# Altium PCB MotionBoard.PcbDoc (part 3 of 3)
Units mm, origin at the board's own origin, x right, y up, seen from the top; angles counter-clockwise.
Board outline 120 x 80 mm, 8 copper layers (Top Layer 1, GND, Inner 1, Inner 2, Inner 3, Inner 4, PWR, Bottom Layer 1), stack 1.028 mm thick; 748 components, 487 nets, 2634 pads, 32 vias.
Unrouted connection lines stored in the file: 1934.
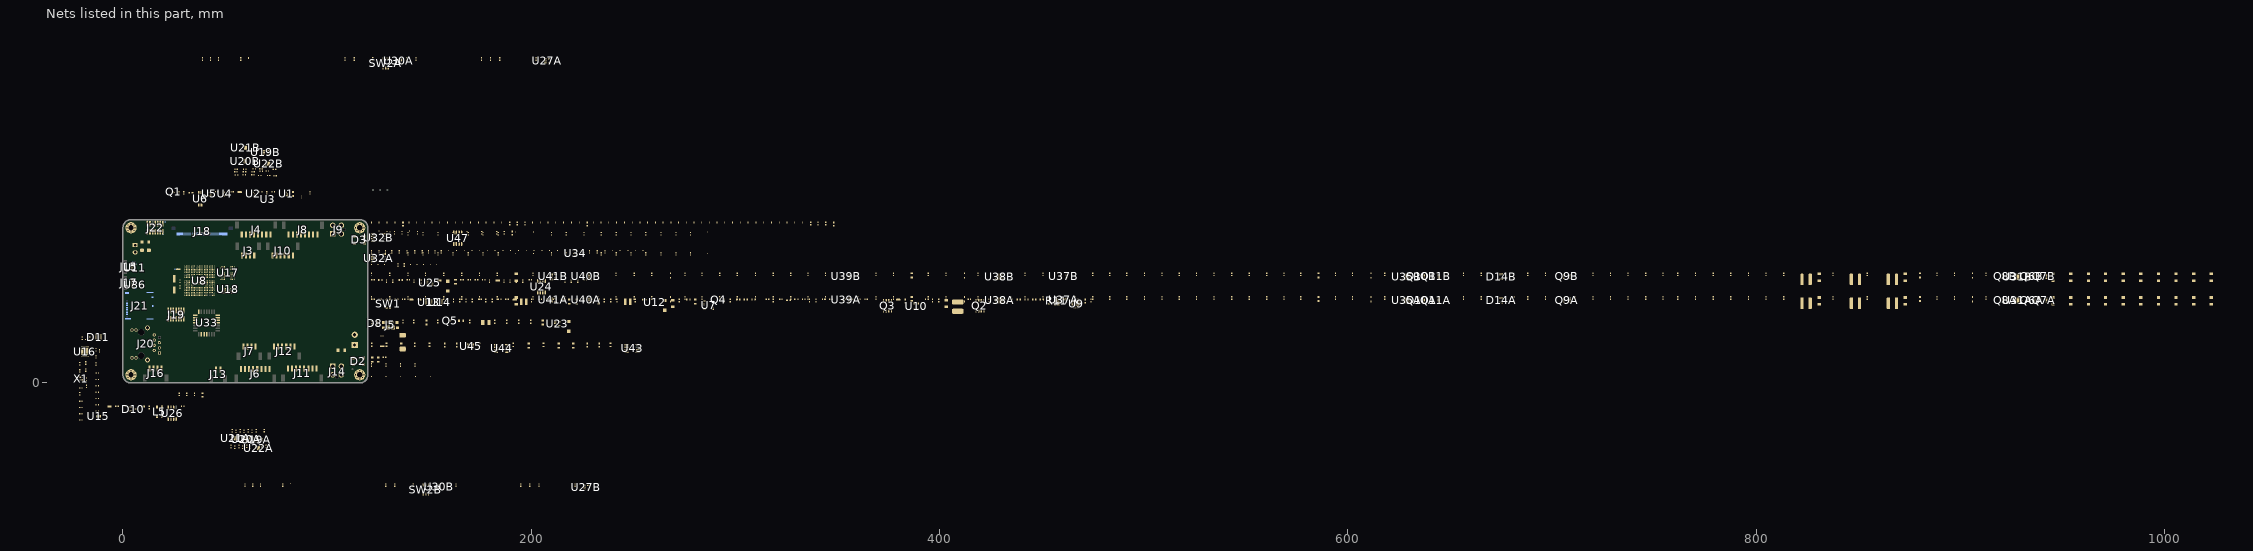
[diagram p5: the nets of this part, all layers, seen from the top]

## Part data (continued)
L1: "4.7 µH Shielded Drum Core, Wirewound Inductor 4 A 23mOhm Nonstandard", Supplier Part Number 1=490-10812-1-ND, Isat=4.5A, Supplier 1=Digi-Key
L2: library part SRN3010TA-2R2M, "2.2 µH Semi-Shielded Drum Core, Wirewound Inductor 1.7 A 90mOhm Nonstandard", Supplier Part Number 1=SRN3010TA-2R2MCT-ND, Isat=1.3A, Supplier 1=Digi-Key
L3: library part SRN3010TA-3R3M, "3.3 µH Semi-Shielded Drum Core, Wirewound Inductor 1.5 A 130mOhm Nonstandard", Supplier Part Number 1=SRN3010TA-3R3MCT-ND, Isat=1.1A, Supplier 1=Digi-Key
L4: library part "FIXED IND 10UH 300MA 845MOHM SMD", "10 µH Shielded Multilayer Inductor 300 mA 845mOhm Max 0805 (2012 Metric)", Supplier Part Number 1=490-18463-1-ND, Isat=100mA, Supplier 1=Digi-Key
L5: library part L_B82787C0513H002, "CMC 51UH 200MA 2LN SMD AEC-Q200", Supplier Part Number 1=445-3958-1-ND, Supplier 1=Digi-Key
L6A L6B L7A L7B L8A L8B: library part PA5005.102NLT, "1 µH Shielded Molded Inductor 20 A 4.52mOhm Max Nonstandard", Supplier Part Number 1=553-4098-1-ND, Isat=23A, Supplier 1=Digi-Key
Q1 Q4 Q5: library part 2N7002, "N-Channel 60 V 350mA (Ta) 380mW (Ta), 2.8W (Tc) Surface Mount DFN0606-3", Supplier Part Number 1=1727-8574-1-ND, Supplier 1=Digi-Key
Q2 Q3: library part BSC0502NSIATMA1, "N-Channel 60 V 8A (Ta), 35A (Tc) 3.1W (Ta), 68W (Tc) Surface Mount 8-PDFN (5x6)", Supplier Part Number 1=TSM220NB06LCRRLGCT-ND, Supplier 1=Digi-Key
Q6A Q6B Q7A Q7B Q8A Q8B Q9A Q9B Q10A Q10B Q11A Q11B: "N-Channel 100 V 39A (Ta) 2W (Ta) Surface Mount 8-HSMT (3.2x3)", Supplier Part Number 1=846-RQ3P300BHTB1CT-ND, Supplier 1=Digi-Key
R1 R43 R83 R84 R85 R86 R87 R89 R90 R91: library part "RES 4.7K OHM 5% 1/16W 0402", "4.7 kOhms ±5% 0.063W, 1/16W Chip Resistor 0402 (1005 Metric) Moisture Resistant Thick Film", Supplier Part Number 1=311-4.7KJRCT-ND, Supplier 1=Digi-Key
R2 R8 R9 R26 R50 R51 R53: library part "RES 100K OHM 1% 1/16W 0402", "100 kOhms ±1% 0.063W, 1/16W Chip Resistor 0402 (1005 Metric) Moisture Resistant Thick Film", Supplier Part Number 1=13-RC0402FR-13100KLCT-ND, Supplier 1=Digi-Key
R3 R4 R5 R32 R33 R41 R42 R44: library part "RES 2.2K OHM 1% 1/16W 0402", "2.2 kOhms ±1% 0.063W, 1/16W Chip Resistor 0402 (1005 Metric) Moisture Resistant Thick Film", Supplier Part Number 1=311-2.20KLRCT-ND, Supplier 1=Digi-Key
R6 R47A R47B R48A R48B R49A R49B R66 R67A R67B R69A R69B R70A R70B R96A R96B R98A R98B R113A R113B R114A R114B R119A R119B R120A R120B: library part "RES 120 OHM 1% 1/16W 0402", "120 Ohms ±1% 0.063W, 1/16W Chip Resistor 0402 (1005 Metric) Moisture Resistant Thick Film", Supplier Part Number 1=311-120LRCT-ND, Supplier 1=Digi-Key
R7 R23 R38 R39: library part "RES 470 OHM 1% 1/16W 0402", "470 Ohms ±1% 0.063W, 1/16W Chip Resistor 0402 (1005 Metric) Thick Film", Supplier Part Number 1=13-RC0402FR-13470RLCT-ND, Supplier 1=Digi-Key
R10 R30: library part "RES 200K OHM 1% 1/16W 0402", "200 kOhms ±1% 0.063W, 1/16W Chip Resistor 0402 (1005 Metric) Moisture Resistant Thick Film", Supplier Part Number 1=311-200KLRCT-ND, Supplier 1=Digi-Key
R11: library part "RES 0.005 OHM 1W 1206 WIDE", "5 mOhms ±1% 1W Chip Resistor Wide 1206 (3216 Metric), 0612 Automotive AEC-Q200, Current Sense Metal Foil", Supplier Part Number 1=408-1969-1-ND, Supplier 1=Digi-Key
R12 R162: library part "RES 28K OHM 1% 1/16W 0402", "28 kOhms ±1% 0.063W, 1/16W Chip Resistor 0402 (1005 Metric) Moisture Resistant Thick Film", Supplier Part Number 1=311-28.0KLRCT-ND, Supplier 1=Digi-Key
R13 R169: library part "RES 0 OHM JUMPER 1/4W 1206", "0 Ohms Jumper Chip Resistor 1206 (3216 Metric) Automotive AEC-Q200 Thick Film", Supplier Part Number 1=RMCF1206ZT0R00CT-ND, Supplier 1=Digi-Key
R14: library part "RES 1K OHM 1% 1/16W 0402", "1 kOhms ±1% 0.063W, 1/16W Chip Resistor 0402 (1005 Metric) Moisture Resistant Thick Film", Supplier Part Number 1=311-1.00KLRCT-ND, Supplier 1=Digi-Key
R15: library part "RES 140K OHM 1% 1/16W 0402", "140 kOhms ±1% 0.063W, 1/16W Chip Resistor 0402 (1005 Metric) Moisture Resistant Thick Film", Supplier Part Number 1=YAG2978CT-ND, Supplier 1=Digi-Key
R16A R16B R18 R68A R68B R72A R72B R73A R73B R74A R74B R76A R76B R78A R78B R81A R81B R82 R92A R92B R93A R93B: library part "RES 20K OHM 1% 1/16W 0402", "20 kOhms ±1% 0.063W, 1/16W Chip Resistor 0402 (1005 Metric) Moisture Resistant Thick Film", Supplier Part Number 1=311-20.0KLRCT-ND, Supplier 1=Digi-Key
R17 R31 R57 R62: library part "RES 75K OHM 1% 1/16W 0402", "75 kOhms ±1% 0.063W, 1/16W Chip Resistor 0402 (1005 Metric) Moisture Resistant Thick Film", Supplier Part Number 1=311-75KLRCT-ND, Supplier 1=Digi-Key
R19 R172 R175: library part "RES 15K OHM 1% 1/16W 0402", "15 kOhms ±1% 0.063W, 1/16W Chip Resistor 0402 (1005 Metric) Thick Film", Supplier Part Number 1=13-RC0402FR-1015KLCT-ND, Supplier 1=Digi-Key
R20A R20B R25 R52 R54 R55 R60 R71A R71B R75A R75B R77A R77B R79A R79B R80A R80B R99A R99B R100A R100B R110A R110B R111A R111B R112A R112B R115A R115B R116A R116B R121A R121B R122A R122B R161 R164 R171 R173: library part "RES 10K OHM 1% 1/16W 0402", "10 kOhms ±1% 0.063W, 1/16W Chip Resistor 0402 (1005 Metric) Moisture Resistant Thick Film", Supplier Part Number 1=1276-3431-1-ND, Supplier 1=Digi-Key
R21 R56: library part "RES 5K OHM 1% 1/16W 0402", "5 kOhms ±1% 0.063W, 1/16W Chip Resistor 0402 (1005 Metric) Moisture Resistant Thick Film", Supplier Part Number 1=13-RC0402FR-075KLCT-ND, Supplier 1=Digi-Key
R22: library part "RES 560 OHM 1% 1/16W 0402", "560 Ohms ±1% 0.063W, 1/16W Chip Resistor 0402 (1005 Metric) Thick Film", Supplier Part Number 1=13-RC0402FR-13560RLCT-ND, Supplier 1=Digi-Key
R24 R40 R166 R167 R168: library part "RES SMD 0 OHM JUMPER 1/10W 0402", "0 Ohms Jumper Chip Resistor 0402 (1005 Metric) Automotive AEC-Q200 Thick Film", Supplier Part Number 1=P0.0JCT-ND, Supplier 1=Digi-Key
R27: library part "RES 205K OHM 1% 1/16W 0402", "205 kOhms ±1% 0.063W, 1/16W Chip Resistor 0402 (1005 Metric) Moisture Resistant Thick Film", Supplier Part Number 1=YAG3050CT-ND, Supplier 1=Digi-Key
R28 R160: library part "RES 340K OHM 1% 1/16W 0402", "340 kOhms ±1% 0.063W, 1/16W Chip Resistor 0402 (1005 Metric) Moisture Resistant Thick Film", Supplier Part Number 1=YAG3121CT-ND, Supplier 1=Digi-Key
R29: library part "RES SMD 2K OHM 0.5% 1/16W 0402", "2 kOhms ±0.5% 0.063W, 1/16W Chip Resistor 0402 (1005 Metric) Thin Film", Supplier Part Number 1=RR05P2.0KDCT-ND, Supplier 1=Digi-Key
R34 R35 R36 R37 R61 R159: library part "RES 49.9 OHM 1% 1/16W 0402", "49.9 Ohms ±1% 0.063W, 1/16W Chip Resistor 0402 (1005 Metric) Moisture Resistant Thick Film", Supplier Part Number 1=311-49.9LRCT-ND, Supplier 1=Digi-Key
R45 R46 R65: library part "RES 47K OHM 1% 1/16W 0402", "47 kOhms ±1% 0.063W, 1/16W Chip Resistor 0402 (1005 Metric) Moisture Resistant Thick Film", Supplier Part Number 1=311-47.0KLRCT-ND, Supplier 1=Digi-Key
R58 R59 R165: library part "RES 3.3K OHM 1% 1/16W 0402", "3.3 kOhms ±1% 0.063W, 1/16W Chip Resistor 0402 (1005 Metric) Moisture Resistant Thick Film", Supplier Part Number 1=311-3.30KLRCT-ND, Supplier 1=Digi-Key
R63 R128A R128B: library part "RES 162K OHM 1% 1/16W 0402", "162 kOhms ±1% 0.063W, 1/16W Chip Resistor 0402 (1005 Metric) Moisture Resistant Thick Film", Supplier Part Number 1=YAG2370CT-ND, Supplier 1=Digi-Key
R64: library part "RES 13.3K OHM 1% 1/16W 0402", "13.3 kOhms ±1% 0.063W, 1/16W Chip Resistor 0402 (1005 Metric) Moisture Resistant Thick Film", Supplier Part Number 1=YAG2974CT-ND, Supplier 1=Digi-Key
R88 R102A R102B R103A R103B R104A R104B R105A R105B R124A R124B R127A R127B: library part "RES 100 OHM 1% 1/16W 0402", "100 Ohms ±1% 0.063W, 1/16W Chip Resistor 0402 (1005 Metric) Moisture Resistant Thick Film", Supplier Part Number 1=13-RC0402FR-13100RLCT-ND, Supplier 1=Digi-Key
R94A R94B R101A R101B R109A R109B R117A R117B R118A R118B R123A R123B: library part "RES 5.6 OHM 5% 1/16W 0402", "5.6 Ohms ±5% 0.063W, 1/16W Chip Resistor 0402 (1005 Metric) Moisture Resistant Thick Film", Supplier Part Number 1=311-5.6JRCT-ND, Supplier 1=Digi-Key
R95A R95B R97A R97B R126A R126B: library part "RES 0.002 OHM 1% 1W 1206", "2 mOhms ±1% 1W Chip Resistor 1206 (3216 Metric) Current Sense, Moisture Resistant Metal Element", Supplier Part Number 1=CSNL1206FT2L00CT-ND, Supplier 1=Digi-Key
R106A R106B R107A R107B R108A R108B R129A R129B: library part "RES 300K OHM 1% 1/16W 0402", "300 kOhms ±1% 0.063W, 1/16W Chip Resistor 0402 (1005 Metric) Moisture Resistant Thick Film", Supplier Part Number 1=311-300KLRCT-ND, Supplier 1=Digi-Key
R125A R125B: library part "RES 22 OHM 1% 1/16W 0402", "22 Ohms ±1% 0.063W, 1/16W Chip Resistor 0402 (1005 Metric) Moisture Resistant Thick Film", Supplier Part Number 1=311-22.0LRCT-ND, Supplier 1=Digi-Key
R130 R131 R132 R133 R134 R135: library part R, "Chip Resistor SMD"
R163: library part "RES 909 OHM 1% 1/16W 0402", "909 Ohms ±1% 0.063W, 1/16W Chip Resistor 0402 (1005 Metric) Moisture Resistant Thick Film", Supplier Part Number 1=YAG3256CT-ND, Supplier 1=Digi-Key
R170 R174: library part "RES 30K OHM 1% 1/16W 0402", "30 kOhms ±1% 0.063W, 1/16W Chip Resistor 0402 (1005 Metric) Moisture Resistant Thick Film", Supplier Part Number 1=311-30.0KLRCT-ND, Supplier 1=Digi-Key
S1 S2 S3 S4: library part HOLE/M2.5
SW1: library part "SWTICH (1)", Supplier Part Number 1=EG5546CT-ND, Supplier 1=Digi-Key
SW2A SW2B: "Dip Switch DPDT 2 Position Surface Mount Rotary for Tool Actuator 100mA 16VDC", Supplier Part Number 1=563-1039-1-ND, Supplier 1=Digi-Key
TP1 TP2 TP3 TP4 TP5 TP6 TP7 TP8 TP9 TP10 TP11 TP12 TP13 TP14: library part TP, "PC Test Point Plating Surface Mount Mounting Type", Supplier Part Number 1=2019-RCUCTECT-ND, Supplier 1=Digi-Key
U1 U2 U4 U5: "FOUR CHANNEL UNIDIRECTIONAL LEVE / Voltage Level Translator Unidirectional 1 Circuit 4 Channel 200Mbps 12-UQFN (1.7x2)", Package=None, Supplier Part Number 1=296-TXU0304RUTRCT-ND, Availability=Unavailable, MP=TXB0104RGYR, Price=None, Supplier 1=Digi-Key
U3: library part AS621x, "Temperature Sensor Digital, Local -40°C ~ 125°C 16 b 6-WLCSP (1.5x1)", Supplier Part Number 1=4991-AS6214-AWLT-LCT-ND, Supplier 1=Digi-Key
U6: "OPTOISOLATR 5KV TRANSISTOR 4-SMD", Supplier Part Number 1=58-ISP281DCT-ND, Supplier 1=Digi-Key
U7: "Non-Isolated PoL Module DC DC Converter 1 Output 1 ~ 16V 1.5A 4.2V - 60V Input", Supplier Part Number 1=296-TPSM5601R5HRDARCT-ND, Supplier 1=Digi-Key
U8: "C28x C2000™ C28x Fixed-Point Microcontroller IC 32-Bit Dual-Core 200MHz 512KB (256K x 16) FLASH 337-NFBGA (16x16)", Manufacturer="Texas Instruments", Manufacturer Part Number=F28388DZWTS, Supplier Part Number 1=595-F28388DZWTS, Datasheet Link=http://www.ti.com/lit/ds/symlink/tms320f28388d.pdf, Height=1.4mm, Supplier 1=Mouser
U9: library part BD9611, "Buck Regulator Positive Output Step-Down DC-DC Controller IC VQFN020V4040", Supplier Part Number 1=BD9611MUV-E2CT-ND, Supplier 1=Digi-Key, Supplier 2=Mouser, Supplier Part Number 2=755-BD9611MUV-E2
U10: "Series Voltage Reference IC Fixed 1.5V, 3V V ±0.05% 20 mA SOT-23-THIN", Supplier Part Number 1=296-38496-1-ND, Supplier 1=Digi-Key
U11 U36: "Voltage Level Translator Bidirectional 1 Circuit 2 Channel 24Mbps 8-VSSOP", Supplier Part Number 1=296-37938-1-ND, Supplier 1=Digi-Key
U12: Supplier Part Number 1=296-25650-6-ND, Supplier 1=Digi-Key
U13: "Supervisor Open Drain or Open Collector 1 Channel SOT-23-THIN", Supplier Part Number 1=296-39651-1-ND, Supplier 1=Digi-Key
U14: "Supervisor Open Drain or Open Collector 1 Channel SOT-23-THIN", Supplier Part Number 1=296-42074-1-ND, Supplier 1=Digi-Key
U15: "TVS DIODE 5.5VWM 10VC U-DFN2510", Supplier Part Number 1=DT1140-04LP-7DICT-ND, Supplier 1=Digi-Key
U16: "Ethernet Interface 32-VQFN (5x5)", Package=None, Supplier Part Number 1=296-47256-6-ND, Availability=Unavailable, MP=DP83822IRHBR, Price=None, Supplier 1=Digi-Key
U17: "IC DRAM 256MBIT PARALLEL 54TFBGA / SDRAM Memory IC 256Mb (16M x 16) Parallel 166 MHz 5 ns 54-TFBGA (8x8)", Supplier Part Number 1=1450-1250-ND, Supplier 1=Digi-Key
U18: "SRAM - Asynchronous Memory IC 4Mb (256K x 16) Parallel 10 ns 48-TFBGA (6x8)", Supplier Part Number 1=706-1104-ND, Supplier 1=Digi-Key
U19A U19B U27A U27B: library part MAX4789, "Current Limiting Regulator 200mA SOT-23-5", Supplier Part Number 1=MAX4789EUK+TCT-ND, Voltage=2.3..5.5V, Supplier 1=Digi-Key
U20A U20B U21A U21B U22A U22B U30A U30B: "1/1 Transceiver Half RS422, RS485 10-TDFN (3x3)", Supplier Part Number 1=MAX13431EETB+TCT-ND, Supplier 1=Digi-Key
U23: library part AP22804, "Power Switch/Driver 1:1 P-Channel 3A SOT-25", Supplier Part Number 1=AP22814AW5-7DICT-ND, Supplier 1=Digi-Key
U24: library part OPA1688, "Dual operational amplifier", Supplier Part Number 1=296-44515-5-ND, Supplier 1=Digi-Key
U25: "Boost Switching Regulator IC Positive Adjustable 5V 1 Output 800mA (Switch) SC-74A, SOT-753", Supplier Part Number 1=LM27313XMF/NOPBCT-ND, Supplier 1=Digi-Key
U26: library part MAX3051, "1/1 Transceiver Half CANbus 8-SOIC", Supplier Part Number 1=MAX3051ESA+CT-ND, Supplier 1=Digi-Key
U31A U31B U35A U35B U38A U38B: library part UCC27212, "Half-Bridge Gate Driver IC Non-Inverting 10-WSON (4x4)", Supplier Part Number 1=296-47091-1-ND, Supplier 1=Digi-Key
U32A U32B U47: "Dual operational amplifier", Supplier Part Number 1=296-36692-1-ND, Supplier 1=Digi-Key
U33: library part "XSENS MTI-x", "Accelerometer, Gyroscope, Magnetometer, 9 Axis Sensor I²C, SPI, UART Output / 1551-MTI-2-0I-ND", Supplier Part Number 1=1551-MTI-2-0I-ND, Supplier 1=Digi-Key
U34: "1 Circuit IC Switch 8:1 78Ohm 16-miniQFN (1.8x2.6)", Supplier Part Number 1=DG4051EEN-T1-GE4CT-ND, Supplier 1=Digi-Key
U37A U37B U39A U39B: "Current Sense Amplifier 1 Circuit Single-Ended TSOT-23-8", Supplier Part Number 1=296-INA241A2IDDFRDKR-ND, Gain="20 V/V", Supplier 1=Digi-Key
U40A U40B: "Current Sense Amplifier 10V/V  1 Circuit Single-Ended TSOT-23-8", Supplier Part Number 1=296-INA241A1IDDFRCT-ND, Gain=10V/V, Supplier 1=Digi-Key
U41A U41B: library part LM331, "Comparator General Purpose CMOS, Open-Collector, TTL SOT-23-5", Supplier Part Number 1=296-6633-1-ND, Supplier 1=Digi-Key
U43: Supplier Part Number 1=24CW1280T-I/OTCT-ND, Supplier 1=Digi-Key
U44: "RTC", Supplier Part Number 1=DS1307Z+-ND, Supplier 1=Digi-Key
U45: library part SN74LVC2G07, "Buffer, Non-Inverting 2 Element 1 Bit per Element Open Drain Output SOT-23-6", Supplier Part Number 1=296-SN74AUC2G07DBVTCT-ND, Supplier 1=Digi-Key
X1: "25 MHz ±10ppm Crystal 10pF 50 Ohms 4-SMD, No Lead", Supplier Part Number 1=XC3065CT-ND, ESR=<50, Supplier 1=Digi-Key
X2: "16 MHz ±30ppm Crystal 20pF 50 Ohms HC-49/US", Supplier Part Number 1=XC1776CT-ND, Supplier 1=Digi-Key

## Via types
v1: diameter 0.6, hole 0.25, Top Layer 1 to Bottom Layer 1, 32 vias

## Nets (pads, with @x,y where several pads share a name; then routed paths per layer and width w, separated by ;. In a path a pad name is that pad's centre, name@x,y a point inside that pad or via, vN(x,y) a via of type N, cw(c..) or ccw(c..) an arc to the next point about the centre after c; other vN are vias at no path point)
+1.2V: C36.1 C37.1 C239.1 FB6.1 L3.1 R27.1 R83.1 TP5.1 U14.3
+1.5VREF: C28.1 C141.1 C194A.2 C194B.2 C195A.2 C195B.2 C259A.2 C259B.2 C261A.2 C261B.2 C268A.2 C268B.2 C269A.2 C269B.2 R81A.2 R81B.2 TP3.1 U8.T4 U10.1 U37A.3 U37A.7 U37B.3 U37B.7 U39A.3 U39A.7 U39B.3 U39B.7 U40A.3 U40A.7 U40B.3 U40B.7
+1.8VPI: 
+3.3V: C7.1 C14.1 C34.1 C38.1 C39.1 C42.1 C43.1 C44.1 C45.1 C46.1 C47.1 C48.1 C49.1 C53.1 C54.1 C55.1 C56.1 C57.1 C58.1 C59.1 C60.1 C61.1 C63A.2 C63B.2 C67A.2 C67B.2 C71A.2 C71B.2 C95.1 C99.2 C100.2 C103.2 C104.2 C106A.2 C106B.2 C107A.2 C107B.2 C116.1 C117.1 C143.1 C149A.2 C149B.2 C154.1 C201.1 C248.1 C249.1 C254.1 C274.1 D11.5 D14A.1 D14A.2 D14A.3 D14B.1 D14B.2 D14B.3 D18.1 D25.1 D26.1 FB1.1 FB4.2 FB5.1 FB7.1 J19.8 J21.4 L2.1 R4.2 R8.1 R9.1 R28.1 R32.1 R33.1 R34.1 R35.1 R36.1 R37.1 R38.1 R39.1 R41.2 R42.2 R44.1 R50.2 R53.2 R82.1 R84.1 R88.2 R89.1 R90.1 TP4.1 U1.11 U2.11 U3.B1 U4.11 U5.11 U8.R11 U8.R12 U11.3 U12.4 U13.3 U13.4 U13.5 U14.4 U14.5 U16.14 U16.21 U17.A7 U17.A9 U17.B3 U17.C7 U17.D3 U17.E7 U17.J9 U18.D6 U18.E1 U20A.1 U20B.1 U21A.1 U21B.1 U22A.1 U22B.1 U26.3 U30A.1 U30B.1 U32A.8 U32B.8 U33.7 U33.14 U34.14 U36.3 U43.8 U45.5
+3.3VA: C15.1 C16.1 C189A.2 C189B.2 C190A.1 C190B.1 C197A.2 C197B.2 C198A.1 C198B.1 C250.1 C251.1 C252.1 C253.1 C258A.2 C258B.2 C262A.1 C262B.1 C273A.2 C273B.2 FB1.2 R128A.2 R128B.2 TP2.1 U8.P6 U8.R6 U37A.6 U37B.6 U39A.6 U39B.6 U40A.6 U40B.6 U41A.5 U41B.5
+3.3VFTDI: C277.1 D23.1 D24.1
+3.3VOSC: C255.1 C256.1 C257.1 FB7.2 U8.H16 U8.H17
+3.3VPI: 
+3VREF: C18.1 C123.1 C124.1 C125.1 C126.1 TP14.1 U8.R1 U8.V1 U8.V5 U8.W5 U10.5
+5V: C8.1 C23.1 C32.1 C33.1 C62A.1 C62B.1 C64A.2 C64B.2 C68A.2 C68B.2 C72A.2 C72B.2 C93.1 C98A.1 C98B.1 C108A.2 C108B.2 C280.1 C281.1 D2.3 D3.3 D5.1 D6.1 D7.1 FB2.1 FB3.1 J10.1 J12.1 J13.1 J16.1 J18.1 J18.8 J19.13 R5.2 R7.2 R13.1 R23.2 R24.2 R25.2 R85.1 U1.12 U2.1 U2.12 U4.1 U4.12 U5.1 U5.12 U12.3 U19A.1 U19A.3 U19B.1 U19B.3 U20A.10 U20B.10 U21A.10 U21B.10 U22A.10 U22B.10 U23.5 U27A.1 U27A.3 U27B.1 U27B.3 U30A.10 U30B.10 U44.8
+5VENCA: C3.1 J4.1 U19B.5
+5VENCB: C4.1 J6.1 U19A.5
+5VENCC: C5.1 J8.1 U27A.5
+5VENCD: C6.1 J11.1 U27B.5
+5VUSB: C75.1 C76.1 C77.1 C78.1 C79.1 C81.1 D7.2 D8.4 D8.5 J5.1 R52.2 U23.1
+5VUSBD: C278.1 C279.1
+12V: C169A.2 C169B.2 C170A.2 C170B.2 C171A.1 C171B.1 C180A.2 C180B.2 C181A.2 C181B.2 C182A.1 C182B.1 C191A.2 C191B.2 C192A.2 C192B.2 C193A.1 C193B.1 FB8.1 R164.2 R169.1 TP13.1 U31A.1 U31B.1 U35A.1 U35B.1 U38A.1 U38B.1
+15V: C89.1 C91.1 C92.1 D9.1 R63.1 TP9.1 U24.8
+VCORE: C232.1 C233.1 C234.1 C235.1 C236.1 C237.1 C238.1 C240.1 C241.1 C242.1 C243.1 C244.1 C245.1 C246.1 C247.1 FB6.2 R159.1 U8.E9 U8.E11 U8.F9 U8.F11 U8.G14 U8.G15 U8.J14 U8.J15 U8.K5 U8.K6 U8.P10 U8.P13 U8.R10 U8.R13
+VDDIO: C202.1 C203.1 C204.1 C205.1 C206.1 C207.1 C208.1 C209.1 C210.1 C211.1 C212.1 C213.1 C214.1 C215.1 C216.1 C217.1 C218.1 C219.1 C220.1 C221.1 C222.1 C223.1 C224.1 C225.1 C226.1 C227.1 C228.1 C229.1 C230.1 C231.1 FB5.2 U8.A9 U8.A18 U8.B1 U8.E7 U8.E10 U8.E13 U8.E16 U8.F4 U8.F7 U8.F10 U8.F13 U8.F16 U8.G4 U8.G5 U8.G6 U8.H5 U8.H6 U8.L14 U8.L15 U8.M1 U8.M5 U8.M6 U8.N14 U8.N15 U8.P9 U8.R9 U8.V19 U8.W8
A0: U8.T16 U17.H7 U18.A4
A1: U8.W17 U17.H8 U18.A5
A2: U8.V17 U17.J8 U18.B3
A3: U8.U17 U17.J7 U18.B4
A4: U8.K18 U17.J3 U18.C3
A5: U8.K19 U17.J2 U18.C4
A6: U8.E19 U17.H3 U18.D4
A7: U8.E18 U17.H2 U18.H2
A8: U8.R16 U17.H1 U18.H3
A9: U8.R17 U17.G3 U18.H4
A10: U8.R18 U17.H9 U18.H5
A11: U8.R19 U17.G2 U18.G3
A12: U8.P16 U17.G1 U18.G4
A13: U8.C11 U18.F3
A14: U8.D11 U18.F4
A15: U8.C6 U17.E8 U18.E4
A16: U8.D6 U17.F1 U18.D3
ACTIVITY: D25.2 R132.2
ADC1: C158.1 J19.6 U8.T7
ADCMUX1: U8.B12 U34.9
ADCMUX2: U8.C12 U34.8
ADCMUX3: U8.D12 U34.7
BA0: U8.F2 U17.G7
BA1: U8.F3 U17.G8 U18.A3
C\A\S\: U8.K4 U17.F7
C\S\0\: U8.U13 U17.G9
C\S\2\: U8.V11 U18.B5
CAN-RX: TP11.1 U8.D1 U26.4
CAN-TX: TP10.1 U8.C2 U26.1
CAN_N: L5.3 R66.1 U26.6
CAN_P: L5.4 R66.2 U26.7
CANH: C96.1 D10.1 J16.2 J18.35 L5.1
CANL: C97.1 D10.2 J16.3 J18.36 L5.2
CLK: U8.T11 U17.F2
CM4-UART.RXD: 
CM4-UART.TXD: 
CM4_SPI0.CE0: 
CM4_SPI0.CE1: 
CM4_SPI0.MISO: 
CM4_SPI0.MOSI: 
CM4_SPI0.SCLK: 
D0: U8.B11 U17.A8 U18.B6
D1: U8.C14 U17.B9 U18.C5
D2: U8.B14 U17.B8 U18.C6
D3: U8.A14 U17.C9 U18.D5
D4: U8.D15 U17.C8 U18.E5
D5: U8.C15 U17.D9 U18.F5
D6: U8.B15 U17.D8 U18.F6
D7: U8.A15 U17.E9 U18.G6
D8: U8.C16 U17.E1 U18.B1
D9: U8.D16 U17.D2 U18.C1
D10: U8.C17 U17.D1 U18.C2
D11: U8.A16 U17.C2 U18.D2